# Allegro board mini_trx_layout.brd (continued)
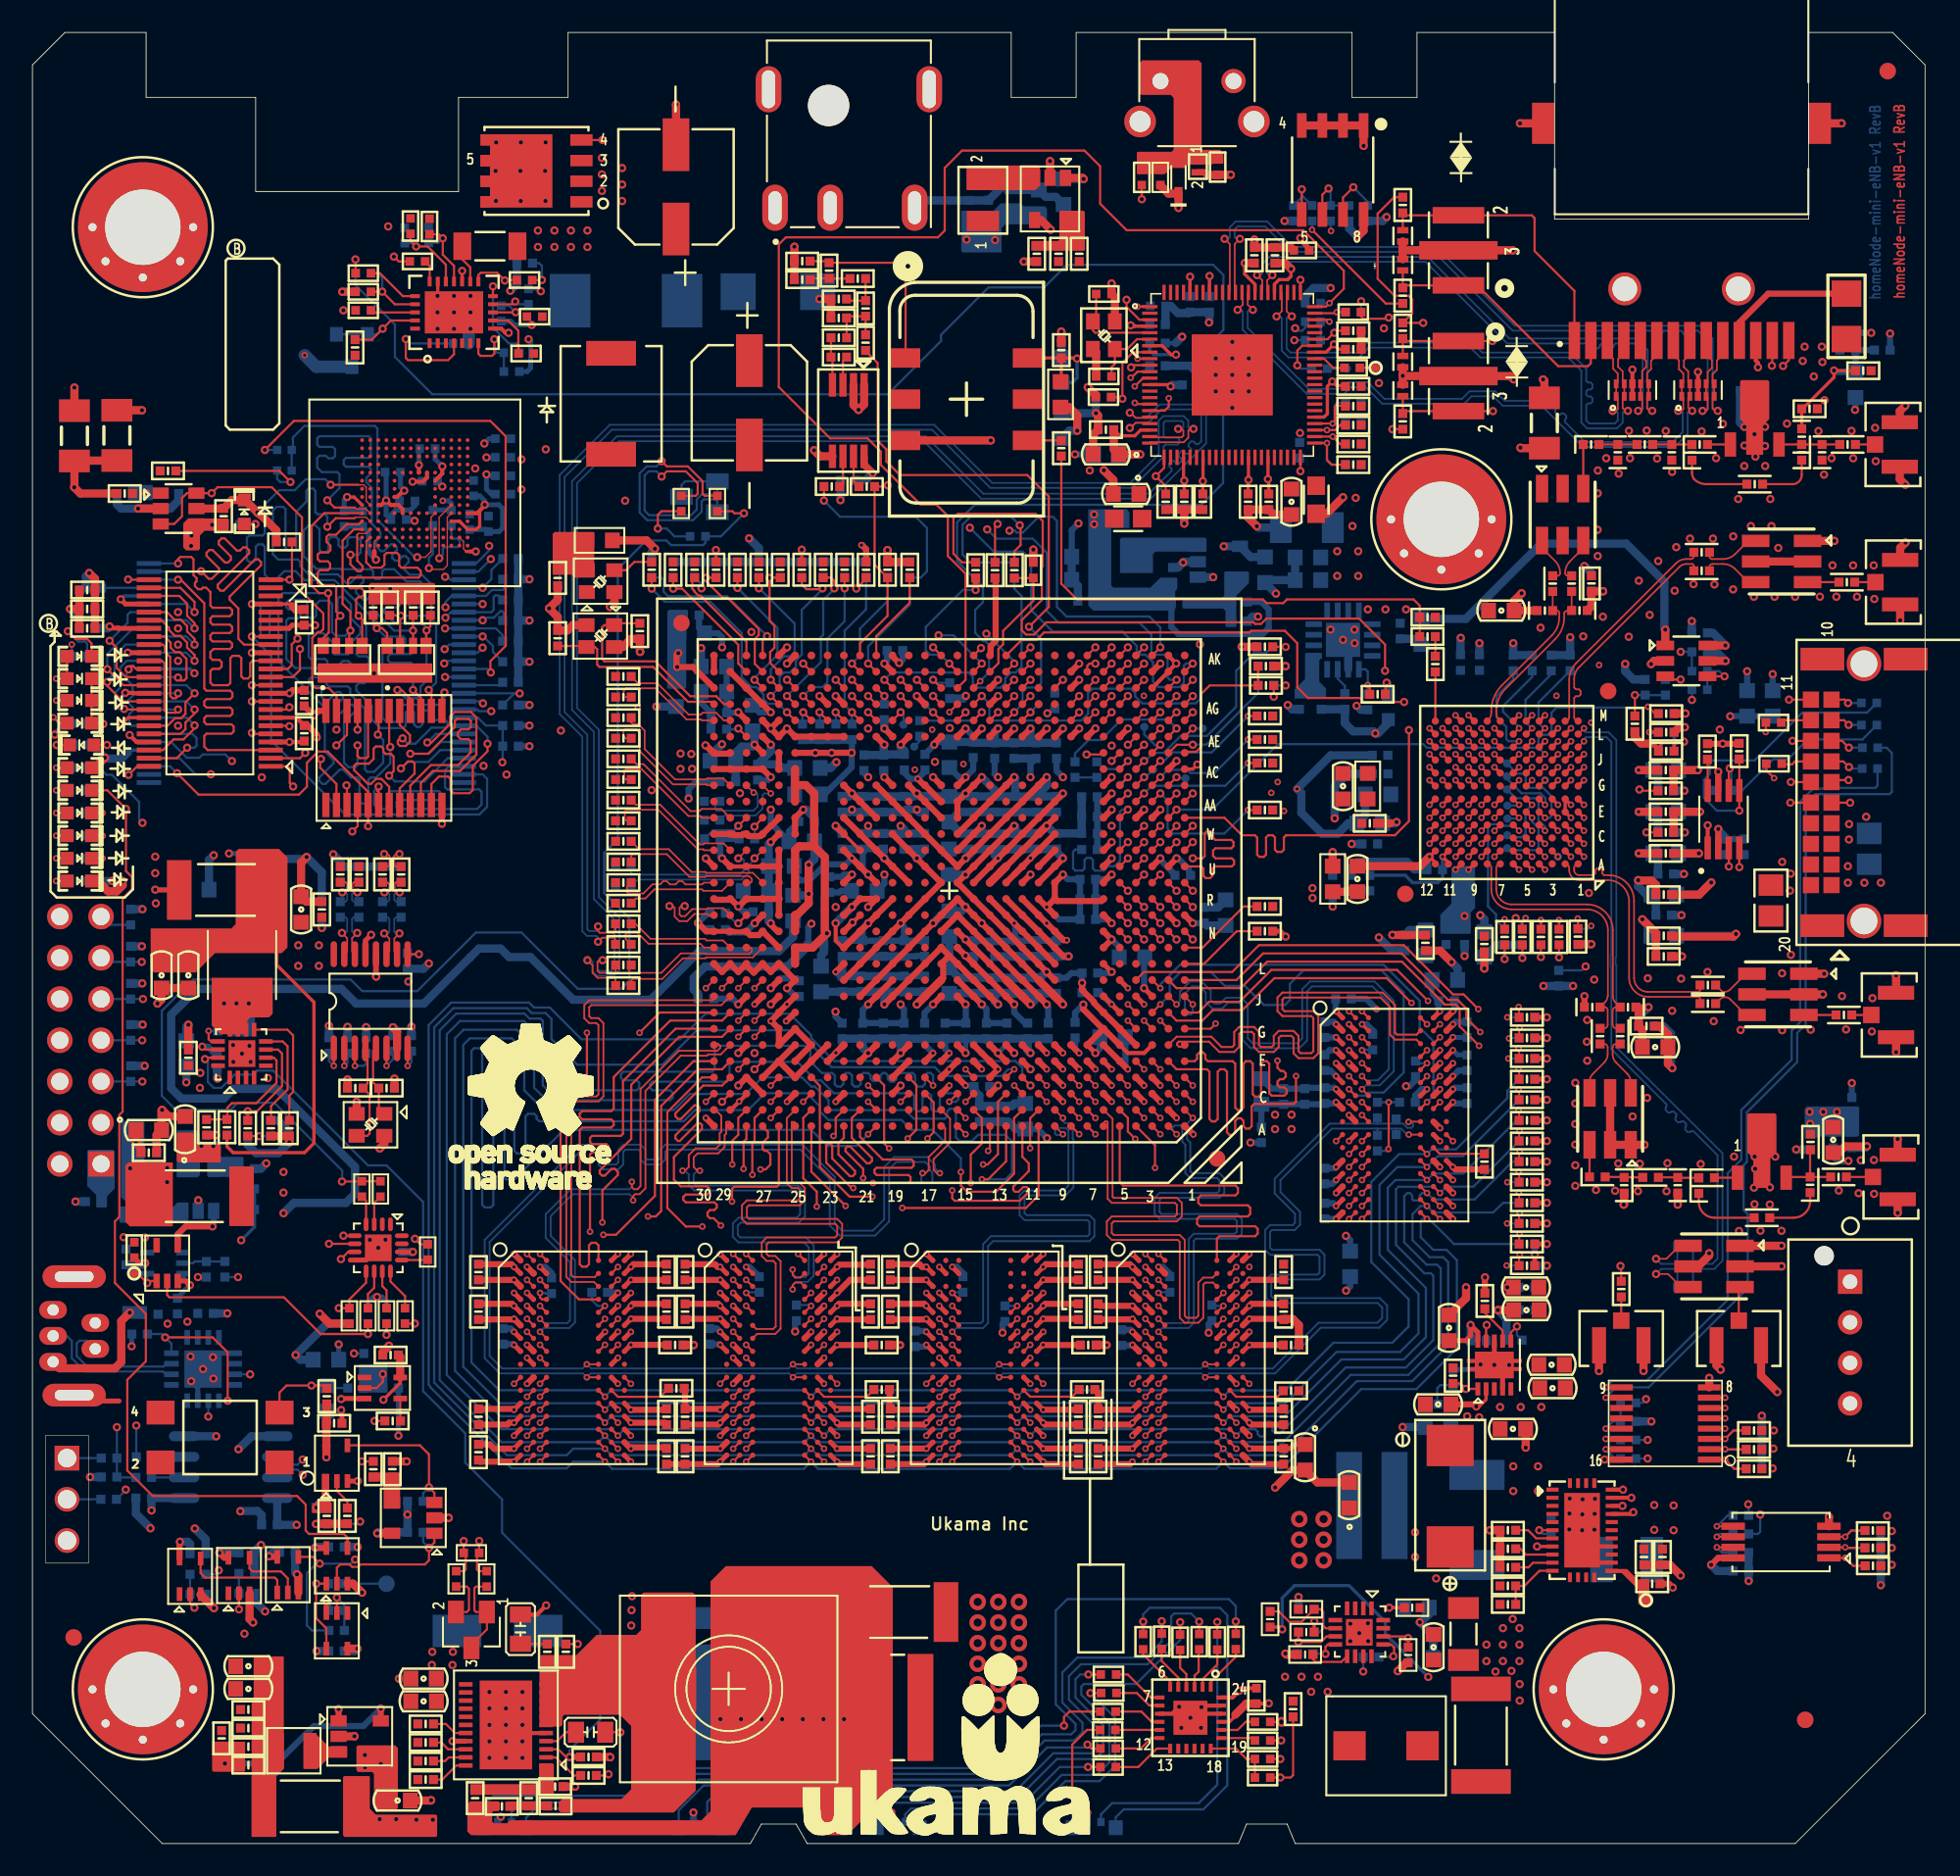
[diagram p0: board, top side]
## Routing (per net, layer and track width the routed paths; a pad name or vN(x,y) marks a point on that pad's centre or on a via; arc(x,y) is an arc through that point) (continued)
7130_RF_ENABLE: length 37.6
  TOP w0.137: U3.G6 v2(91.59,65.52) ; U1.T5 v1(67.49,58.71)
  L6-SIGNAL w0.127: v1(67.49,58.71) 66.93,58.15 66.93,55.64 68.48,54.09 84.5,54.09 88.88,58.47 88.88,60.65 88.88,63.37 89.11,63.6 89.44,63.6 89.68,63.85 89.68,64.17 89.91,64.4 90.47,64.4 v2(91.59,65.52)
7130_RF_FCLK: length 37.6
  TOP w0.137: U3.F10 v2(87.67,64.01) ; U1.T4 v1(68.49,59.71)
  L6-SIGNAL w0.127: v1(68.49,59.71) 68.24,59.46 68.24,58.86 68.61,58.48 69.63,58.48 71.21,60.06 71.9,60.06 72.02,60.18 72.02,60.25 72.15,60.38 72.4,60.38 72.53,60.25 72.53,60.18 72.66,60.06 72.91,60.06 73.04,60.18 73.04,60.25 73.17,60.38 73.42,60.38 73.55,60.25 73.55,60.18 73.67,60.06 73.93,60.06 74.06,60.18 74.06,60.25 74.18,60.38 74.44,60.38 74.56,60.25 74.56,60.18 74.69,60.06 74.94,60.06 75.07,60.18 75.07,60.25 75.2,60.38 75.45,60.38 75.58,60.25 75.58,60.18 75.71,60.06 75.96,60.06 76.09,60.18 76.09,60.25 76.21,60.38 76.47,60.38 76.6,60.25 76.6,60.18 76.72,60.06 77.7,60.06 79.79,62.15 79.79,63.36 80.05,63.62 81.26,63.62 81.71,64.06 81.71,64.24 81.21,64.74 81.21,64.92 81.39,65.1 81.57,65.1 82.06,64.6 82.24,64.6 82.42,64.78 82.42,64.96 81.93,65.46 81.93,65.64 82.1,65.82 82.28,65.82 82.78,65.32 82.96,65.32 83.14,65.5 83.14,65.68 82.64,66.18 82.64,66.36 83,66.72 83.58,66.72 83.71,66.59 83.71,66.37 83.83,66.25 84.09,66.25 84.21,66.37 84.21,66.59 84.34,66.72 84.77,66.72 84.9,66.59 84.9,66.37 85.03,66.25 85.28,66.25 85.41,66.37 85.41,66.59 85.54,66.72 88.64,66.72 88.87,66.49 88.87,65.2 v2(87.67,64.01)
7130_RF_MCLK: length 37.7
  TOP w0.137: U3.G11 v2(86.87,65.52) ; U1.T1 v1(71.49,58.71)
  L6-SIGNAL w0.127: v1(71.49,58.71) 72.83,58.71 73.05,58.48 73.34,58.48 73.56,58.71 73.84,58.71 74.07,58.48 74.35,58.48 74.58,58.71 74.86,58.71 75.08,58.48 75.37,58.48 75.59,58.71 75.88,58.71 76.1,58.48 76.38,58.48 76.61,58.71 76.89,58.71 77.12,58.48 77.59,58.48 79.75,60.65 81.63,60.65 81.75,60.52 81.75,60.18 81.63,60.05 80.37,60.05 80.24,59.92 80.24,58.64 80.37,58.51 80.62,58.51 80.75,58.64 80.75,59.46 80.88,59.59 81.13,59.59 81.26,59.46 81.26,58.64 81.38,58.51 81.64,58.51 81.77,58.64 81.77,59.46 81.89,59.59 82.15,59.59 82.27,59.46 82.27,58.64 82.4,58.51 82.65,58.51 82.78,58.64 82.78,59.46 82.91,59.59 83.18,59.59 83.45,59.86 83.45,60.49 83.32,60.62 82.72,60.62 82.6,60.74 82.6,61 82.72,61.12 83.32,61.12 83.45,61.25 83.45,61.51 83.32,61.63 82.72,61.63 82.6,61.76 82.6,62.13 82.85,62.38 83.03,62.38 83.24,62.17 83.42,62.17 83.6,62.35 83.6,62.53 83.39,62.74 83.39,62.92 84.13,63.66 84.31,63.66 84.65,63.32 84.83,63.32 85.01,63.5 85.01,63.68 84.67,64.02 84.67,64.2 84.85,64.38 85.03,64.38 85.37,64.04 85.55,64.04 85.73,64.22 85.73,64.4 85.39,64.74 85.39,64.92 85.6,65.13 86.48,65.13 v2(86.87,65.52)
7130_RF_RESET: length 65.8
  TOP w0.137: U1.AJ14 v1(58.49,72.71)
  L6-SIGNAL w0.127: v1(101.54,73.43) 97.15,73.43 96.74,73.03 78.93,73.03 77.97,72.06 75.51,72.06 72.31,68.86 72.27,68.86 71.67,68.27 71.2,68.27 70.55,67.62 70.55,67.41 69.93,66.78 69.93,66.53 69.67,66.27 69.58,66.27 69.54,66.22 68.26,66.22 67.93,65.89 67.93,65.53 67.67,65.27 65.59,65.27 65.26,64.94 64.34,64.94 63.67,64.27 63.3,64.27 63.23,64.34 59.63,64.34 58.71,65.27 58.3,65.27 58.04,65.53 58.04,65.93 57.75,66.23 57.75,66.68 57.68,66.75 57.68,67.88 57.04,68.53 57.04,68.89 57.3,69.15 57.56,69.15 57.93,69.53 57.93,69.89 57.67,70.15 57.26,70.15 56.82,70.59 56.82,71.28 56.71,71.39 56.71,72.31 56.93,72.53 56.93,73.9 56.39,74.45 v1(55.82,74.45)
  BOTTOM w0.137: v1(55.82,74.45) 56.75,74.45 v1(58.49,72.71) ; R6.2 102.23,72.25 R618.1 v1(101.54,73.43)
7130_RF_RXFRAME: length 37.5
  TOP w0.137: U3.G8 v2(89.27,65.52) ; U1.R5 v1(67.49,57.71)
  L6-SIGNAL w0.127: v1(67.49,57.71) 67.93,58.15 72.53,58.15 72.65,58.03 72.65,57.78 72.78,57.66 73.03,57.66 73.16,57.78 73.16,58.03 73.29,58.15 73.54,58.15 73.67,58.03 73.67,57.78 73.8,57.66 74.05,57.66 74.18,57.78 74.18,58.03 74.3,58.15 74.56,58.15 74.68,58.03 74.68,57.78 74.81,57.66 75.07,57.66 75.19,57.78 75.19,58.03 75.32,58.15 75.57,58.15 75.7,58.03 75.7,57.78 75.83,57.66 76.08,57.66 76.21,57.78 76.21,58.03 76.34,58.15 76.59,58.15 76.72,58.03 76.72,57.78 76.84,57.66 79.4,57.66 79.92,58.18 80.42,58.18 80.67,57.93 81.41,57.93 81.54,57.81 81.54,57.76 81.67,57.63 81.92,57.63 82.05,57.76 82.05,57.81 82.17,57.93 82.43,57.93 82.56,57.81 82.56,57.76 82.68,57.63 82.94,57.63 83.06,57.76 83.06,57.81 83.19,57.93 83.62,57.93 83.78,58.09 83.78,61.54 84.04,61.8 84.22,61.8 85.22,60.8 85.4,60.8 85.58,60.98 85.58,61.16 85.3,61.44 85.3,61.62 85.69,62.01 85.69,62.19 85.51,62.37 85.33,62.37 84.94,61.98 84.76,61.98 84.58,62.16 84.58,62.34 85.86,63.62 88.64,63.62 88.88,63.86 88.88,64.61 89.27,65 v2(89.27,65.52)
7130_RF_SPI_CLK: length 37.1
  TOP w0.137: U3.J5 v2(92.39,67.12) ; U1.AA1 v1(71.49,64.71)
  L3-SIGNAL w0.127: v2(92.39,67.12) 91.99,67.52 91.99,69.78 91.79,69.98 84.77,69.98 84.51,69.72 84.27,69.72 83,70.99 81.92,70.99 80.89,72.03 79.02,72.03 78.43,71.44 78.43,70.62 77.52,69.71 76.8,69.71 76.03,70.49 76.03,72.61 75.65,72.99 73.03,72.99 72.65,72.61 72.65,66.68 71.49,65.52 v1(71.49,64.71)
7130_RF_SPI_DI: length 35.4
  TOP w0.137: v1(70.49,63.71) U1.Y2 ; v2(99.53,70.05) 99.96,69.62 R192.2 ; U3.J4 v2(93.19,67.12)
  BOTTOM w0.137: v2(93.19,67.12) 92.79,67.52 ; 92.79,67.52 92.79,68.09 93.02,68.32 93.36,68.32 93.59,68.55 93.59,69.69 93.9,70 99.48,70 v2(99.53,70.05) ; 92.79,67.52 85.91,67.52 85.69,67.75 76.73,67.75 72.69,63.71 v1(70.49,63.71)
7130_RF_SPI_DO: length 36.7
  TOP w0.137: U1.Y1 73.44,63.21 74.52,62.13 75.31,62.13 75.45,61.99 75.45,60.94 75.59,60.8 75.86,60.8 76,60.94 76,61.99 76.14,62.13 76.41,62.13 76.55,61.99 76.55,61.24 76.69,61.1 76.96,61.1 77.1,61.24 77.1,61.99 77.24,62.13 83.94,62.13 84.8,63 v1(84.8,68.61) ; U3.L6 v2(91.59,68.72)
  L3-SIGNAL w0.127: v1(84.8,68.61) 85.32,69.13 91.18,69.13 v2(91.59,68.72)
  BOTTOM w0.137: R193.2 92.4,71.89 90.6,70.1 90.6,69.74 91.59,68.78 v2(91.59,68.72)
7130_RF_SPI_EN: length 36.8
  TOP w0.137: U3.K6 v2(91.59,67.92) ; U1.AA2 v1(70.49,64.71)
  L6-SIGNAL w0.127: v1(70.49,64.71) 71.44,65.66 71.44,66.14 71.3,66.28 71.3,66.65 72.37,67.72 72.37,68.38 75.2,71.22 76.73,71.22 77.03,70.92 77.82,70.92 78.64,71.73 80.98,71.73 81.72,70.99 84.06,70.99 84.57,71.5 84.99,71.5 85.12,71.63 85.12,71.82 85.25,71.95 85.5,71.95 85.63,71.82 85.63,71.63 85.76,71.5 86.01,71.5 86.14,71.63 86.14,71.82 86.26,71.95 86.52,71.95 86.65,71.82 86.65,71.63 86.77,71.5 87.03,71.5 87.15,71.63 87.15,71.82 87.28,71.95 87.53,71.95 87.66,71.82 87.66,71.63 87.79,71.5 89.04,71.5 89.82,70.73 91.19,69.35 91.19,68.56 91.59,68.17 v2(91.59,67.92)
  BOTTOM w0.137: R195.2 91.23,71.74 90.2,70.7 90.2,69.41 90.8,68.8 90.8,68.06 90.94,67.92 v2(91.59,67.92)
7130_RF_TXFRAME: length 37.7
  TOP w0.137: U1.T2 v1(70.49,58.71) ; U3.G9 v2(88.47,65.52)
  L6-SIGNAL w0.127: v2(88.47,65.52) 88.08,65.92 87.8,65.92 87.8,65.92 85.4,65.92 85.27,65.79 85.27,65.58 85.14,65.45 84.89,65.45 84.76,65.58 84.76,65.79 84.64,65.92 84.02,65.92 83.82,65.71 83.82,65.53 84.59,64.76 84.59,64.58 84.41,64.4 84.23,64.4 83.46,65.17 83.28,65.17 83.1,64.99 83.1,64.81 83.87,64.05 83.87,63.87 83.69,63.69 83.51,63.69 82.74,64.45 82.56,64.45 82.38,64.27 82.38,64.09 83.15,63.33 83.15,63.15 82.97,62.97 82.79,62.97 82.02,63.74 81.84,63.74 81.66,63.56 81.66,63.38 82.43,62.61 82.43,62.43 82.25,62.25 82.07,62.25 81.3,63.02 81.12,63.02 80.88,62.77 80.88,62.59 81.17,62.3 81.17,62.12 80.99,61.94 80.81,61.94 80.52,62.23 80.34,62.23 77.27,59.16 76.56,59.16 76.43,59.29 76.43,59.6 76.3,59.73 76.05,59.73 75.92,59.6 75.92,59.29 75.79,59.16 75.54,59.16 75.41,59.29 75.41,59.6 75.29,59.73 75.03,59.73 74.9,59.6 74.9,59.29 74.78,59.16 74.52,59.16 74.4,59.29 74.4,59.6 74.27,59.73 74.02,59.73 73.89,59.6 73.89,59.29 73.76,59.16 73.51,59.16 73.38,59.29 73.38,59.6 73.25,59.73 73,59.73 72.87,59.6 72.87,59.29 72.75,59.16 72.49,59.16 72.36,59.29 72.36,59.6 72.24,59.73 71.98,59.73 71.86,59.6 71.86,59.29 71.73,59.16 70.94,59.16 v1(70.49,58.71)
7130_RF_TXNRX: length 61.1
  TOP w0.137: U1.T3 v1(69.49,59.71) ; U3.H4 v2(93.19,66.32)
  L3-SIGNAL w0.127: v2(93.19,66.32) 93.58,65.93 96.6,65.93 97.14,65.4 99.22,65.4 100.2,64.41 100.2,57.27 96.8,53.87 95.86,53.87 v1(95.69,54.05) 92.49,54.05 91.86,53.42 70.66,53.42 70.21,53.87 67.39,53.87 65.91,55.35 65.91,56.98 67.2,58.27 67.67,58.27 68.67,59.27 69,59.6 69.37,59.6 v1(69.49,59.71)
  BOTTOM w0.137: v1(95.69,54.05) 95.45,53.81 R191.2
7130_RX0: length 85.6
  TOP w0.137: v1(46.49,71.71) U1.AH25
  L6-SIGNAL w0.083: 48.87,73.48 49.04,73.31 49.71,73.31 49.89,73.48
  L6-SIGNAL w0.127: v1(5.2,25.66) 5.2,26.17 10.99,31.96 10.99,32.05 11.04,32.1 11.04,33.91 12.48,35.35 15.26,35.35 33.41,53.5 33.41,54.73 34.67,55.99 35.04,55.99 43.14,64.09 43.14,64.91 44.51,66.27 49.26,66.27 49.34,66.19 50.23,66.19 51.36,67.32 51.36,67.74 51.67,68.05 51.67,68.27 52.04,68.64 52.04,68.89 52.93,69.78 52.93,73.03 52.06,73.9 50.3,73.9 49.89,73.48 ; v1(46.49,71.71) 46.6,71.82 46.6,71.85 46.98,72.24 46.98,72.84 47.38,73.23 47.64,73.23 47.89,73.48 48.87,73.48
  BOTTOM w0.137: v1(5.2,25.66) R175.2 R179.2 5.23,22.56 R180.1
7130_SCL0: length 103
  TOP w0.137: v1(51.49,72.71) U1.AJ20 ; R599.1 81.85,94.1 81.99,93.96 83.48,93.96 v1(83.56,94.03) ; R620.1 v1(48.76,82.75) ; R558.1 19.91,97.61 v1(19.9,97.61)
  L6-SIGNAL w0.127: v1(19.9,97.61) 19.9,94.43 23.49,90.84 48.8,90.84 49.77,89.86 ; 49.77,89.86 49.77,85.63 48.76,84.62 v1(48.76,82.75) ; 49.77,89.86 54.41,94.49 60.17,94.49 63.56,97.88 79.71,97.88 v1(83.56,94.03)
  BOTTOM w0.137: v1(48.76,82.75) 49.76,81.76 54.41,81.76 55.11,81.06 55.11,78.4 54.73,78.01 R393.2 54.04,78.01 54.04,76.33 51.49,73.77 v1(51.49,72.71)
7130_SCL1: length 6.9
  TOP w0.137: U1.AJ21 v1(50.49,72.71)
  BOTTOM w0.137: R392.2 52.68,76.56 50.98,74.86 50.98,73.2 v1(50.49,72.71)
7130_SDA0: length 133.7
  TOP w0.137: v1(22.27,97.79) 22.56,97.49 R559.1 ; U1.AK21 50.99,73.96 52.68,75.65 R152.2 51.88,78.8 R619.1 52.62,83.62 v1(52.7,83.7)
  L6-SIGNAL w0.127: v1(22.27,97.79) 22.27,94.96 25.28,91.95 49.39,91.95 52.27,94.82 60.03,94.82 63.42,98.21 80.01,98.21 84,94.22 84,93.48 82.46,91.94 79.23,91.94 v1(77.79,93.37) 79.16,94.74 79.16,97.16 78.77,97.55 75.61,97.55 74.83,96.77 74.37,96.77 73.68,97.46 64.14,97.46 60.57,93.89 56.59,93.89 52.7,90 v1(52.7,83.7)
  BOTTOM w0.137: R598.1 78.41,93.41 78.23,93.22 77.95,93.22 v1(77.79,93.37)
7130_SDA1: length 5.7
  TOP w0.137: R153.2 54.04,78 54.04,76.46 51.99,74.4 U1.AK20
7130_SMIO_MDC: length 28.9
  TOP w0.137: R566.2 v1(76.48,70.67)
  L3-SIGNAL w0.127: v1(76.48,70.67) 77.28,70.67 78.08,71.47 78.08,73.97 77.48,74.56 77.48,88.91 81.81,93.24 81.81,94.99 v1(81.86,95.04)
  BOTTOM w0.137: v1(81.86,95.04) 81.85,95.03 R595.1
7130_SMIO_MDIO: length 23.3
  L3-SIGNAL w0.127: v1(77.74,92.64) 77.15,92.05 77.15,74.42 77.65,73.92 77.65,71.81 v1(77.21,71.36)
  BOTTOM w0.137: R565.2 v1(77.21,71.36) ; R592.1 v1(77.74,92.64)
7130_SYS_PLL_MUL0: length 9.4
  TOP w0.137: v1(44.75,77.35) R133.2 ; U1.AH26 v1(45.49,71.71)
  BOTTOM w0.137: 44.75,77.37 R133.2 ; 44.75,77.37 46.96,75.17 46.96,73.43 46.68,73.16 46.3,73.16 45.49,72.35 v1(45.49,71.71) ; 44.75,77.37 v1(44.75,77.35)
7130_SYS_PLL_MUL1: length 8.9
  TOP w0.137: U1.AJ27 44.5,72.7 44.5,74.22 44.75,74.47 44.75,74.84 42.82,76.76 42.53,76.76 41.49,77.8 v1(41.49,78) 42.1,78 R129.2
  BOTTOM w0.137: v1(41.49,78) 41.5,78.01 R129.2
7130_SYS_PLL_MUL2: length 12.6
  TOP w0.137: R139.2 47.4,77.6 47.7,77.3 48.62,77.3 v1(48.67,77.35) ; U1.AG26 v1(45.49,70.71)
  BOTTOM w0.137: v1(45.49,70.71) 46.04,71.26 46.04,71.9 46.3,72.16 46.67,72.16 47.04,72.52 47.04,72.9 47.4,73.25 47.4,76.02 48.67,77.3 v1(48.67,77.35) 48.62,77.3 47.67,77.3 47.4,77.57 R139.2
7130_SYS_PLL_MUL3: length 8.7
  TOP w0.137: R125.2 v1(39.47,77.32) 40.03,77.32 43.49,73.86 43.49,72.71 U1.AJ28
  BOTTOM w0.137: v1(39.47,77.32) R125.2
7130_SYS_PLL_MUL4: length 9.3
  TOP w0.137: U1.AH27 v1(44.49,71.71) ; v1(43.43,77.37) R131.2
  BOTTOM w0.137: R131.2 v1(43.43,77.37) 45.9,74.91 45.9,73.24 44.49,71.83 v1(44.49,71.71)
7130_SYS_PLL_VDD33: length 3.7
  TOP w0.381: U1.AH30 40.7,72.5 v1(39.72,72.5) 39.68,72.54 39.68,73.25 v1(39.79,73.36)
7130_TX0: length 85.8
  TOP w0.137: U1.AJ24 v1(47.49,72.71)
  L6-SIGNAL w0.083: 49.99,73.11 49.02,73.11 48.61,72.71
  L6-SIGNAL w0.127: 49.99,73.11 50.07,73.2 50.63,73.2 51.04,72.78 51.04,72.53 51.3,72.27 51.56,72.27 51.94,71.89 51.94,70.09 51.93,70.08 51.93,69.53 51.67,69.27 51.51,69.27 51.4,69.15 51.3,69.15 49.88,67.73 49.58,67.73 49.5,67.65 48.05,67.65 48.05,67.65 46.99,67.65 45.94,66.6 44.37,66.6 42.81,65.04 42.81,64.23 35.51,56.93 34.62,56.93 33.03,55.34 33.03,53.69 15.16,35.82 12.48,35.82 10.66,34 10.66,32.09 4.76,26.19 4.76,25.47 5.02,25.21 5.85,25.21 v1(6.4,25.76) 6.4,22.46 v1(5.75,21.81) ; 48.61,72.71 v1(47.49,72.71)
  BOTTOM w0.137: R183.2 5.75,21.78 v1(5.75,21.81) ; R184.1 v1(6.4,25.76)
7130_TXCO_PWM: length 2.6
  TOP w0.137: C176.1 50.26,95.08 R239.2 51.33,96.43 R238.1
7130_VDD: length 216.1
  TOP w0.254: v1(49.49,56.71) 49.49,55.64 49.91,55.21 U1.M22
  TOP w0.381: U1.U9 v1(63.49,60.71) U1.T10 ; U1.W19 U1.V18 v1(54.49,60.71) U1.U17 U1.T16 U1.R17 U1.P18 U1.N19 U1.M20 U1.L21 U1.K22 ; v1(63.49,64.71) U1.AA9 U1.Y10 U1.W11 U1.V12 U1.U13 U1.T14 ; 56.49,54.71 U1.L16 56.11,54.09 56.11,53.33 U1.K16 v1(54.49,51.71) ; 56.49,54.71 U1.M16 U1.L17 U1.K18 v1(52.49,51.71) U1.J19 ; 56.49,54.71 U1.L15 U1.K14 58.49,52.71 U1.J13 v1(59.49,51.71) ; U1.AA11 U1.AB10 v1(62.49,65.71) U1.Y12 U1.W13 U1.V14 U1.U15 U1.V16 U1.W17 U1.Y18 U1.AA19 U1.AB20 ; v1(51.49,56.71) U1.M22 U1.N21 U1.P20 U1.R19 ; U1.V20 U1.W21 U1.Y22 ; U1.V20 v1(52.49,60.71) ; U1.V20 U1.U19 U1.T18 ; U1.L9 U1.M10 U1.N11 v2(60.49,56.71) U1.P12 U1.R13 ; 60.54,59.76 U1.T12 ; 60.54,59.76 61.49,60.71 v2(61.49,60.72) 61.97,61.21 U1.V10 U1.W9 ; 60.54,59.76 U1.U11 ; U1.Y15 U1.AA15 U1.AB14 v1(58.49,65.71) ; v1(51.49,57.71) U1.R20 U1.R21 U1.P22 ; U1.AB18 v1(54.49,64.71) U1.AA17 U1.Y16 ; U1.U21 v2(50.49,60.71) ; v2(50.49,60.71) U1.V22 ; v2(50.49,60.71) U1.T20 ; U1.R11 U1.P10 U1.N9 63.53,55.67 v2(63.73,55.67) ; U1.AA21 U1.Y20 ; U1.AA21 v1(50.49,64.71) ; U1.AA21 U1.AB22 ; U1.J21 U1.K20 U1.L19 U1.M18 U1.N17 v1(55.49,56.71) U1.P16 U1.R15 v1(57.49,57.71) U1.P14 v1(58.49,56.71) U1.N13 U1.M12 U1.L11 U1.K10 v1(63.49,51.71) ; U1.W15 U1.Y14 U1.AA13 U1.AB12 v1(60.49,65.71) ; v1(61.49,59.71) U1.T11 ; v1(61.49,51.71) U1.K12 U1.L13 U1.M14 v1(57.49,55.71) U1.N15
  TOP w0.508: v1(63.49,51.71) U1.J9 U1.K10 ; v1(54.49,51.71) U1.J17 U1.K16 ; v1(61.49,51.71) U1.J11 U1.K12
  BOTTOM w0.381: v2(62.49,56.71) 63.09,56.11 C356.1 C350.1 C343.1 ; v1(52.49,60.71) 52.42,60.77 C297.1 C289.1 51.15,60.04 v1(51.49,59.71) ; L23.2 46.93,59.73 47.32,59.35 47.85,59.35 48.85,60.34 50.12,60.34 v2(50.49,60.71) ; C336.1 C329.1 57.56,55.63 v1(57.49,55.71) ; C336.1 59.28,55.92 v1(58.49,56.71) ; C336.1 C343.1 ; C307.1 C298.1 C290.1 ; C307.1 C314.1 ; C307.1 53.69,56.5 v1(53.49,56.71) ; C349.1 61.82,61.06 v2(61.49,60.72) ; v2(60.49,56.71) 60.55,56.65 C343.1 ; C290.1 50.41,55.63 ; C290.1 51.15,56.37 51.49,56.71 v1(51.49,56.71) 50.41,55.63 ; 50.41,55.63 C281.1 ; 50.67,64.52 v1(50.49,64.71) ; v1(63.49,64.71) 63.3,64.52
  BOTTOM w0.508: v1(60.49,65.71) 60.55,65.65 C341.1 ; C280.1 49.9,61.3 49.92,61.28 C289.1 ; v1(49.49,56.71) v1(50.49,57.71) ; C348.1 C341.1 ; C348.1 62.49,65.19 v1(62.49,65.71) ; C348.1 C354.1 63.3,64.52 ; C341.1 C334.1 ; C303.1 C308.1 C315.1 54.96,52.19 ; C303.1 v1(52.49,51.71) ; C303.1 C287.1 C282.1 L26.2 ; v1(58.49,65.71) 59.28,64.92 C334.1 ; C337.1 59.28,51.92 v1(59.49,51.71) ; C337.1 59.32,52.43 60.51,52.43 C344.1 C351.1 ; C337.1 C330.1 57.8,52.39 57.78,52.41 57.2,52.41 57.18,52.39 C323.1 ; C334.1 C327.1 57.67,64.52 v1(57.49,64.71) 57.3,64.52 C321.1 C312.1 54.67,64.52 v1(54.49,64.71) 54.3,64.52 C305.1 C296.1 C288.1 50.67,64.52 ; C351.1 61.82,52.04 v1(61.49,51.71) ; C351.1 C357.1 63.09,52.11 ; v2(59.49,60.71) 59.28,60.92 C335.1 ; v1(50.49,64.71) 50.3,64.52 C279.1 ; 54.96,52.19 v1(54.49,51.71) 54.96,52.19 ; C335.1 C328.1 ; C335.1 C342.1 C349.1 C355.1 63.09,61.11 v1(63.49,60.71) ; v1(57.49,60.71) 57.5,60.71 58.01,61.22 C328.1 ; C328.1 C319.1 ; v1(57.49,57.71) 57.24,57.47 C322.1 56.24,57.47 v1(55.49,56.71) ; v1(54.49,60.71) 54.96,61.19 C313.1 C306.1 ; 63.09,52.11 v1(63.49,51.71) 63.09,52.11
  vias: v4(58.24,14.89) v4(58.24,13.62) v4(58.24,12.35) v4(58.24,11.08) v4(58.24,9.81) v4(58.24,8.54) v4(59.51,14.89) v4(59.51,13.62) v4(59.51,12.35) v4(59.51,11.08) v4(59.51,9.81) v4(59.51,8.54) v4(60.78,14.89) v4(60.78,13.62) v4(60.78,12.35) v4(60.78,11.08) v4(60.78,9.81) v4(60.78,8.54)
7130_VDD_PG: length 147.1
  TOP w0.137: v1(10.63,48.33) 10.72,48.43 U14.15 ; v1(33.09,5.33) 32.88,5.33 32.4,5.81 U7.3
  TOP w0.381: R233.2 89.48,34.88 v1(89.49,34.89) ; v1(33.09,5.33) 33.1,5.34 R292.2
  L6-SIGNAL w0.127: v1(89.49,34.89) 89.49,32.68 91.42,30.75 91.42,27.64 91.2,27.42 91.2,24.57 91.81,23.95 91.81,18.63 85.07,11.89 84.43,11.89 82.72,13.6 82.72,13.76 82.15,14.33 62.32,14.33 61.07,15.59 43.35,15.59 v1(33.09,5.33)
  BOTTOM w0.137: v1(10.63,48.33) 10.81,48.16 10.81,46.92 11.16,46.57 11.64,46.57 12.44,47.37 13.59,47.37 13.84,47.63 14.83,47.63 20.67,41.79 21.81,41.79 24.07,39.53 24.07,27.87 26.66,25.28 26.66,23.47 28.93,21.21 28.93,19.16 34.98,13.1 34.98,7.65 33.09,5.76 v1(33.09,5.33)
7130_VREFCA: length 14.5
  TOP w0.305: U11.H1 v2(29.67,30.73) ; U23.M8 v2(61.47,26.73) ; U11.M8 v2(36.07,26.73) ; U15.H1 v2(42.37,30.73) ; U23.H1 v2(55.07,30.73)
  TOP w0.381: U30.H1 v2(67.77,30.73) ; U35.M8 v2(86.71,41.69) ; U15.M8 v2(48.77,26.73) ; U35.H1 v2(80.31,45.69) ; U30.M8 v2(74.17,26.73)
  BOTTOM w0.381: R424.2 C383.1 75.72,45.56 C391.1 C392.1 79.57,45.56 C404.1 80.24,45.61 v2(80.31,45.69) ; C369.1 67.74,30.7 v2(67.77,30.73) ; v2(55.07,30.73) 54.96,30.62 C311.1 ; v2(42.37,30.73) 42.33,30.77 C254.1 ; R313.1 29.63,30.77 v2(29.67,30.73)
7130_VTT: length 19.3
  TOP w0.305: R220.2 v1(93.3,40.75) ; R227.2 v1(93.3,49.64) ; R225.2 v1(93.3,47.1) ; R221.2 v1(93.3,42.02) ; R219.2 v1(93.3,39.48) ; R216.2 92.55,36.27 v1(92.56,36.28) ; R218.2 v1(93.3,38.21) ; R224.2 v1(93.3,45.83) ; R222.2 v1(93.3,43.29) ; R226.2 v1(93.3,48.37) ; R228.2 v1(93.3,50.91) ; R223.2 v1(93.3,44.56) ; R217.2 v1(93.3,36.94)
  BOTTOM w0.305: R220.2 v1(93.3,40.75) ; R222.2 v1(93.3,43.29) ; R225.2 v1(93.3,47.1) ; R218.2 v1(93.3,38.21) ; R227.2 v1(93.3,49.64) ; R226.2 v1(93.3,48.37) ; R224.2 v1(93.3,45.83) ; R217.2 v1(93.3,36.94) ; R228.2 v1(93.3,50.91) ; R223.2 v1(93.3,44.56) ; R219.2 v1(93.3,39.48) ; R221.2 v1(93.3,42.02)
  BOTTOM w0.381: v1(92.56,36.28) 92.56,36.94 R217.2
  vias: v1(90.42,26.9) v1(91.69,26.9) v1(92.96,26.9)
7130_WDI: length 123
  TOP w0.137: R8.2 v1(20.29,23.55) ; U1.AF13 v1(59.49,69.71)
  L3-SIGNAL w0.127: v1(59.49,69.71) 59.11,69.71 58.67,69.27 56.39,69.27 55.93,69.72 55.93,69.89 55.67,70.15 55.3,70.15 54.86,69.71 54.11,69.71 53.67,69.27 53.3,69.27 53.04,69.53 52.1,69.53 51.84,69.27 51.14,69.27 50.81,68.94 46.89,68.94 46.67,69.15 46.3,69.15 45.93,68.78 45.93,68.53 45.67,68.26 38.04,68.26 37.72,68.58 v1(32.56,68.58)
  L6-SIGNAL w0.127: v1(32.56,68.58) 28.64,64.67 24.77,64.67 21.68,61.59 19.75,61.59 19.57,61.77 18.89,62.45 5.93,62.45 4.48,63.9 4.16,63.9 3.1,62.84 3.1,37.82 5.27,35.65 5.27,27.26 4.43,26.42 4.43,22.5 5.56,21.36 18.1,21.36 v1(20.29,23.55)
AD936X_1V3: length 8.1
  TOP w0.508: L15.1 v1(101.62,54.66)
  BOTTOM w0.508: L14.1 v1(101.75,59.74) ; L30.1 v1(88.23,54.69) ; L41.1 v1(101.77,64.87) ; v1(77.34,70.16) 77.6,69.89 R448.2 ; L39.1 v1(101.59,57.2) ; L31.1 v1(81.27,61.6) ; L29.1 v1(89.15,73.97) ; L38.1 v1(101.8,62.31) ; L32.1 83.76,55.02 v1(82.95,55.83)
  vias: v1(80.38,79.63) v1(80.38,78.11) v1(81.32,81.18) v1(81.68,79.63) v1(81.68,78.11)
AD936X_1V3_PG: length 2.6
  TOP w0.137: R114.2 82.39,71.26 v2(82.27,71.39)
  BOTTOM w0.137: U65.5 82.13,72.36 82.27,72.22 v2(82.27,71.39) R450.2
AD936X_1V8: length 6.8
  TOP w0.203: U3.H12 v2(86.07,66.32)
  TOP w0.508: R192.1 101.14,69.63 v1(101.84,69.63)
  BOTTOM w0.508: v1(93.09,52.84) R191.1 v1(94.92,52.84) ; R193.1 R195.1 v1(91.23,73.97) ; v1(98.13,72.69) 98.13,72.24 98.64,71.73 R188.1
AD936X_CLKOUT: length 1.5
  TOP w0.137: J18.1 R439.1
AD936X_RESET_L: length 11.6
  TOP w0.137: C133.1 v1(98.73,70.77) ; U3.K5 v2(92.39,67.92)
  L3-SIGNAL w0.127: v2(92.39,67.92) 92.8,68.33 92.8,68.93 92.99,69.12 94.85,69.12 95.21,69.49 97.55,69.49 98.73,70.67 v1(98.73,70.77)
  BOTTOM w0.137: R160.2 R188.2 99.36,70.77 v1(98.73,70.77)
AD936X_SYNCIN: length 11.2
  TOP w0.137: R468.1 v1(99.43,62.31) ; U3.H5 v2(92.39,66.32)
  L3-SIGNAL w0.127: v1(99.43,62.31) 98.77,62.31 96.53,64.56 92.57,64.56 91.97,65.15 91.97,65.35 91.98,65.36 91.98,65.69 91.97,65.69 91.97,65.91 v2(92.39,66.32)
ALLPOWER_PG: length 6.6
  TOP w0.137: U32.4 10.36,17.56 10.36,16.67 10.64,16.39 14.93,16.39 15.08,16.23 U34.1
BLUE1: length 42.1
  TOP w0.137: R568.1 63.88,8.13 63.55,7.8 v1(63.55,7.26)
  BOTTOM w0.137: LED11.1 27.75,2.28 28.42,2.95 38.89,2.95 40.59,4.65 59.51,4.65 62.13,7.26 v1(63.55,7.26)
BLUE2: length 7.2
  TOP w0.137: v1(64.07,3.12) 64.06,3.14 64.06,6.1 64.97,7 R569.1
  BOTTOM w0.137: LED12.1 v1(64.07,3.12)
BLUE3: length 28.8
  TOP w0.137: v1(65,6.1) 65.23,5.86 R570.1
  BOTTOM w0.137: v1(65,6.1) 64.82,5.92 62.51,5.92 60.17,3.58 41.35,3.58 39.82,2.05 LED13.1
BLUE4: length 15.9
  TOP w0.137: R571.1 v1(65.03,4.72)
  BOTTOM w0.137: v1(65.03,4.72) 63.29,4.72 61.09,2.51 52.6,2.51 52.01,1.92 LED14.1
BUTTON_RESET_IN: length 65.1
  TOP w0.137: U1.AF15 v1(57.49,69.71) ; R108.1 v1(21.08,26.04)
  L6-SIGNAL w0.127: v1(57.49,69.71) 57.04,69.71 56.6,69.27 54.41,69.27 52.93,67.78 52.93,67.53 52.17,66.77 51.78,66.77 49.33,64.32 44.54,64.32 44.37,64.14 44.29,64.14 35.85,55.7 35.85,54.28 21.68,40.11 21.68,38.32 22.19,37.81 22.19,36.09 21.68,35.58 21.68,33.51 21.11,32.94 21.11,28.01 21.08,27.97 v1(21.08,26.04)
BUTTON_RESET_OUT: length 73.1
  TOP w0.137: U1.AG16 v1(55.49,70.71)
  L6-SIGNAL w0.127: v1(55.49,70.71) 55.11,70.71 52.67,68.27 52.36,68.27 51.69,67.6 51.69,67.18 49.68,65.17 44.28,65.17 44.04,64.93 44.04,64.52 35.42,55.91 35.42,55.43 34.85,54.85 34.02,54.85 33.77,54.61 33.77,53.23 20.22,39.69 20.22,30.41 20.25,30.39 20.25,25.59 21.06,24.78 21.06,20.72 v1(20.19,19.84)
  BOTTOM w0.137: v1(20.19,19.84) 20.05,19.7 R372.2
C2_LED_P1_LED0: length 102.7
  TOP w0.137: LED22.1 v2(1.46,70.44) ; R617.1 83.79,87.15 v1(83.79,87.15) ; U243.9 v2(68.08,91.5)
  L3-SIGNAL w0.127: v2(68.08,91.5) 65.86,91.5 65.25,92.11 14.27,92.11 1.04,78.88 1.04,72.51 0.74,72.21 0.74,71.16 v2(1.46,70.44)
  L6-SIGNAL w0.127: v2(68.08,91.5) 69.88,93.29 71.52,93.29 71.6,93.22 75.03,93.22 81.1,87.15 v1(83.79,87.15)
CALL_LED: length 59.5
  TOP w0.137: U1.AK16 v1(55.49,73.71) ; LED8.2 v2(4.32,62.11)
  L6-SIGNAL w0.127: v2(4.32,62.11) 18.77,62.11 19.03,61.84 19.95,60.93 21.13,60.93 21.5,60.56 21.84,60.56 22.09,60.8 22.09,61.05 22.93,61.89 27.53,61.89 32.96,67.32 38.99,67.32 46.23,74.56 54.64,74.56 v1(55.49,73.71)
CH1_PA_TEMP_SNS: length 49.5
  TOP w0.137: U20.9 v2(96.92,28.11)
  BOTTOM w0.137: v2(96.92,28.11) 97.32,28.51 99.44,28.51 104.44,33.51 104.44,41.31 105.28,42.14 105.28,45.2 108.38,48.3 108.38,50.09 108.91,50.62 108.91,64.2 109.71,65.01 110.6,65.01 110.64,65.05 113.54,65.05 113.67,65.19 R100.1
CH2_PA_TEMP_SNS: length 53.1
  TOP w0.137: U20.10 v2(96.92,27.47)
  BOTTOM w0.137: R626.1 114.23,67.52 114.55,67.2 114.55,64.81 114.42,64.67 109.85,64.67 109.25,64.06 109.25,50.48 108.72,49.95 108.72,48.16 105.62,45.06 105.62,42 105.42,41.8 105.42,39.04 105.68,38.79 105.68,38.4 105.68,38.4 105.68,34.22 99.57,28.11 97.56,28.11 v2(96.92,27.47)
CHASIS_GND: length 23.1
  TOP w0.508: v1(91.26,90.22) 91.05,90.43 C3.3 84.44,90.43 v1(84.42,90.44) ; v1(91.67,86.01) 91.7,85.98 C19.1 ; 84.42,98.17 84.42,97.64 D1.2 ; 84.42,98.17 84.42,98.71 D2.2 ; 84.42,98.17 C4.3 v1(91.2,98.17) ; J12.S1 v1(91.64,106) ; J12.S2 v1(111.46,106) ; C1.1 v1(2.58,89.72) ; v1(84.42,90.44) D3.2 ; v1(84.42,90.44) D4.2 ; C5.1 v1(6.75,88.32)
CONFIG_RST_SW: length 247
  TOP w0.137: R22.2 v1(68.34,101.32)
  L3-SIGNAL w0.127: v1(68.34,101.32) 78.6,101.32 84,95.92 84,91.95 79.36,87.31 79.36,74.79 80.62,73.52 91.41,73.52 91.77,73.88 103.73,73.88 104.12,74.27 108.66,74.27 111.04,71.89 111.04,45.85 111.61,45.27 111.61,44.9 110.74,44.03 110.74,38.59 109.49,37.34 109.49,19.26 107.41,17.17 104.45,17.17 103.72,16.45 103.12,16.45 102.61,16.96 95.4,16.96 94.27,15.83 92.52,15.83 87.38,10.69 87.38,9.69 81.31,3.62 71.87,3.62 66.35,9.14 66.35,10.53 60.47,16.41 20.34,16.41 19.1,17.65 19.1,22.33 19.81,23.03 v1(19.81,30.2)
  BOTTOM w0.137: R10.1 v1(19.81,30.2)
CRITICAL_TEMP_ALERT: length 15.5
  TOP w0.137: R176.1 v1(20.67,31.4) 17.75,31.4 15.49,33.66 8.44,33.66 8.3,33.8 U5.2
  BOTTOM w0.137: v1(20.67,31.4) R176.1
DC_OK: length 5.7
  TOP w0.137: U18.4 18.11,13.26 17.48,13.89 v1(17.48,16.01) U16.1
  BOTTOM w0.137: R378.2 v1(17.48,16.01)
DEBUG_USBDM: length 8.4
  BOTTOM w0.132: J7.2 3.36,30.99 2.9,30.99 2.73,30.82 2.73,30.04 3.37,29.39 8.07,29.39 8.24,29.56 U26.7
DEBUG_USBDP: length 8.9
  BOTTOM w0.132: U26.6 8.22,28.91 8.05,29.09 3.24,29.09 2.42,29.91 2.42,30.98 2.12,31.28 J7.3
EE_CLK_C0_LED_P2_LED0: length 101.7
  TOP w0.137: v2(1.46,71.78) LED20.1 LED19.1 ; U243.12 68.42,90.3 v2(67.91,89.79)
  L3-SIGNAL w0.127: v2(1.46,71.78) 1.7,72.02 1.7,78.6 13.71,90.62 16.71,90.62 17.54,91.45 62.78,91.45 63.96,90.27 67.02,90.27 67.49,89.79 v2(67.91,89.79) 68.57,89.79 69.11,90.33 70.23,90.33 73,93.09 73,97.77 73.52,98.29 78.83,98.29 79.91,99.37 v2(80,99.37)